# KiCad board cyberdeck-alpha.kicad_pcb (continued)
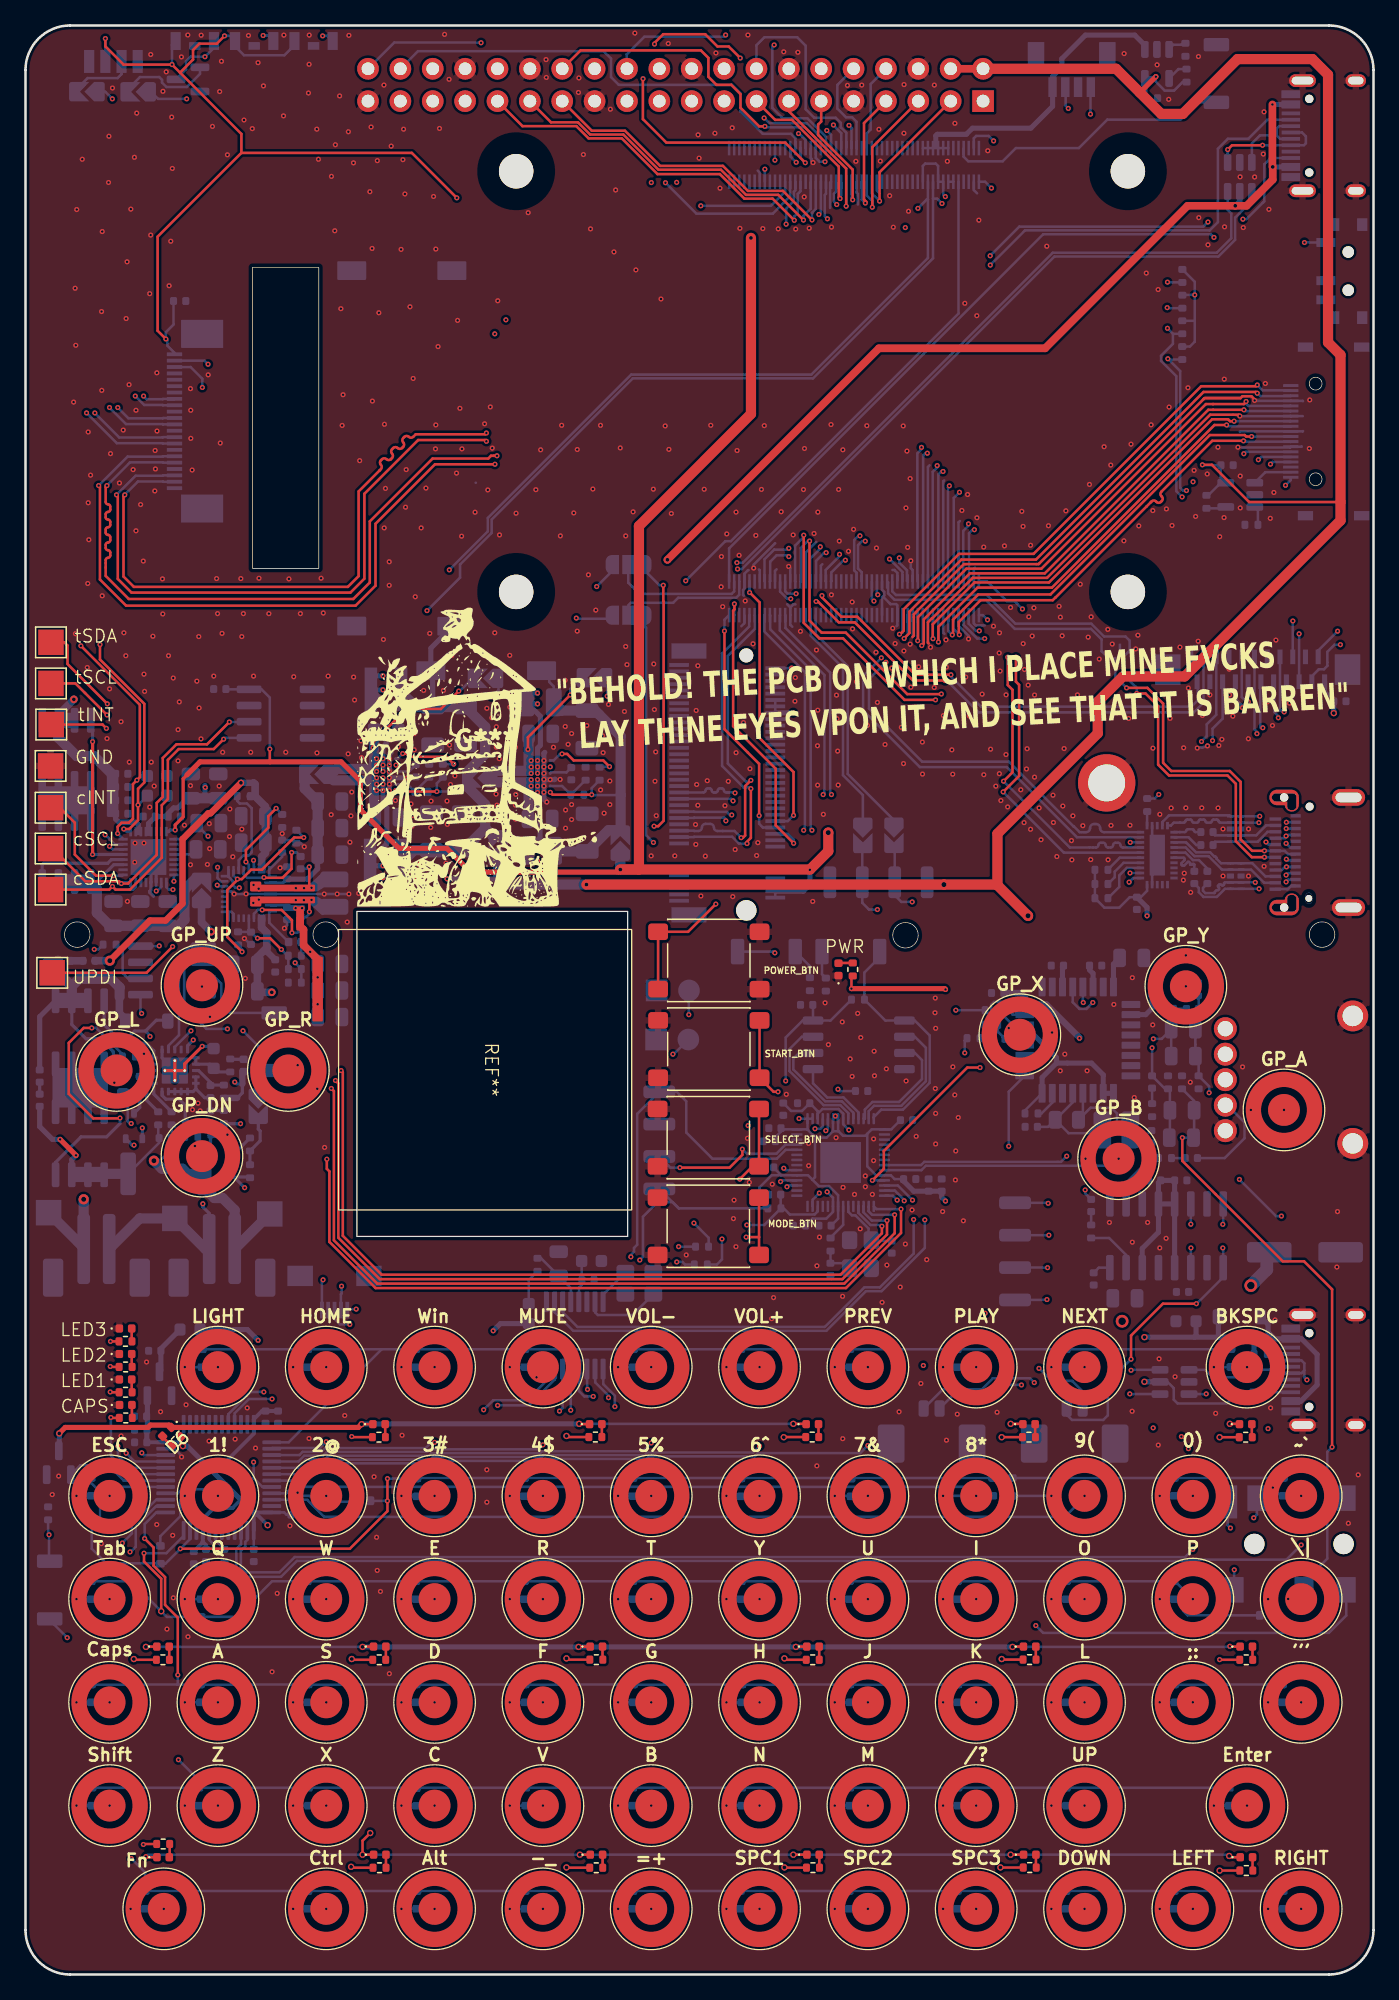
[diagram p0: board, top side]
## Routing (per net, layer and track width the routed paths; a pad name or vN(x,y) marks a point on that pad's centre or on a via; arc(x,y) is an arc through that point) (continued)
  Bottom w0.2: 45.34,47.48 45.34,46.31 46.25,45.4 v1(46.25,44.55) ; v1(86.65,45.55) 86.66,45.54 U6.4
/HUB_US_D+: length 107.4
  In1.Cu w0.2: v1(69.69,59.23) 70.42,59.96 70.42,77.83 72.37,79.78 72.37,81.73 70.55,83.55 v1(66.85,83.55)
  In2.Cu w0.2: v1(49.27,88.81) 50.87,88.81 54.32,85.36 58.75,85.36 60.6,83.51 66.81,83.51 v1(66.85,83.55)
  Bottom w0.2: SJ1.2 65.66,88.31 J5.2 65.66,84.07 66.19,83.55 v1(66.85,83.55) ; U7.11 42.15,51.96 43.31,50.8 62.71,50.8 65.82,53.91 67.04,53.91 69.69,56.56 v1(69.69,59.23) ; v1(49.27,88.81) 48.7,89.39 48.7,105.64 48.62,105.71 JP1.1
/HUB_US_D-: length 112.4
  Top w0.2: v1(49.32,90.09) 49.65,90.09 50.07,90.51 50.07,107.71 50.05,107.74 v1(50.05,108.99)
  In1.Cu w0.2: v1(70.57,59.21) 70.84,59.48 70.84,77.68 72.72,79.56 72.72,81.88 70.71,83.89 69.84,83.89 v1(69.58,84.15)
  In2.Cu w0.2: v1(69.58,84.15) 66.46,87.26 55.2,87.26 52.85,89.61 49.8,89.61 v1(49.32,90.09)
  Bottom w0.2: v1(50.05,108.99) 49.75,108.99 48.6,110.14 ; v1(70.57,59.21) 70.57,57 67.17,53.6 65.94,53.6 62.84,50.5 42.98,50.5 41.51,51.96 U7.10 ; v1(69.58,84.15) 68.73,84.15 68.2,84.67 J5.3 68.2,88.3 SJ2.2
/ID_SCL_GPIO_1: length 101.9
  Top w0.2: J15.28 43.56,150.95 53,150.95 53.59,150.36 53.59,148.88 54.22,148.25 55.38,148.25 56.11,147.52 56.11,146.45 57.57,144.99 v1(58.02,144.99)
  In1.Cu w0.2: v1(62.74,142.22) 64.06,140.9 67.68,140.9 68.59,139.99 68.59,137.5 v1(69.04,137.05) ; v1(103.18,104.33) 102.36,105.15 102.36,105.8 102.66,106.09 102.66,108.47 97.76,113.36 93.72,113.36 91.17,115.92 v1(90.76,115.92)
  In2.Cu w0.2: v1(69.04,137.05) 70.04,138.04 72.4,138.04 72.92,138.57 81.04,138.57 89.61,130.01 v1(89.61,129.15)
  Bottom w0.2: v1(103.18,104.33) 102.72,104.33 102.16,103.77 102.16,102.67 101.89,102.4 101.49,102.4 100.94,101.85 J20.3 ; v1(90.76,115.92) 90.31,116.37 90.31,125.39 89.11,126.59 89.11,127 90.04,127.93 90.04,128.72 ; R83.2 90.04,128.72 ; 90.04,128.72 v1(89.61,129.15) ; v1(62.74,142.22) 62.31,142.22 62.01,142.51 Module2.35 62.01,144.05 61.16,144.91 58.1,144.91 v1(58.02,144.99)
/ID_SDA_GPIO_0: length 95.3
  Top w0.2: J15.27 44.44,144.65 47.04,144.65 49.8,141.89 54.73,141.89 56.69,139.93 59.44,139.93 v1(61.72,137.65)
  In1.Cu w0.2: v1(91.1,116.42) 93.85,113.67 97.89,113.67 102.96,108.6 v1(102.96,105.39)
  In2.Cu w0.2: v1(61.72,137.65) 62.88,136.49 69.04,136.49 70.3,137.74 72.52,137.74 73.05,138.27 80.92,138.27 89.12,130.07 89.12,127.28 v1(89.64,126.76)
  Bottom w0.2: v1(102.96,105.39) 101.44,103.87 J20.2 ; v1(91.1,116.42) 90.83,116.42 90.61,116.64 90.61,125.79 v1(89.64,126.76) 89.7,126.7 R84.2 ; Module2.36 62.01,138.5 61.72,138.21 v1(61.72,137.65)
/IR_LED_CNTRL: length 7.7
  Bottom w0.2: SJ7.2 7.83,147.69 8.99,148.86 10.5,148.86 10.72,148.64 10.72,148.42 11.06,148.08 12.67,148.08 13.69,149.1 Q5.1
/IR_PWR: length 17.8
  In2.Cu w0.2: 18.65,151.24 22.79,151.24 23.32,151.77 v1(23.32,152.09) ; 18.65,151.24 v1(18.65,152.12) ; 18.65,151.24 14.87,151.24 v1(14.08,150.45)
  Bottom w0.2: v1(23.32,152.09) 23.7,152.09 D29.2 ; 19.46,151.68 19.02,152.12 v1(18.65,152.12) ; Q5.3 12.6,149.45 12.6,150.1 12.96,150.46 14.08,150.46 v1(14.08,150.45) 14.79,151.16 D27.2
/IR_SENS: length 5.3
  Bottom w0.2: SJ6.2 4.87,148.78 7.23,148.78 7.54,149.09 J19.3
/JOYSTICK_BTN: length 42.7
  In1.Cu w0.2: v1(25.45,51) 26.3,51 27.87,52.57 31.67,52.57 33.05,53.95 45.72,53.95 47.28,55.5 48.25,55.5 50.35,57.6 51.85,57.6 52.25,57.2 54.75,57.2 56.2,58.65 56.2,59.8 56.55,60.15 58.1,60.15 v1(59.75,61.8)
  Bottom w0.2: v1(25.45,51) 24.67,51 24.25,51.42 J7.3 ; v1(59.75,61.8) 59.8,61.8 59.9,61.9 60.53,61.9
/JOYSTICK_X: length 54.1
  In1.Cu w0.2: v1(47.5,56.3) 47.23,56.3 45.47,54.55 32.8,54.55 32.25,54 v1(24.8,54)
  Bottom w0.2: v1(24.8,54) 24.8,53.43 24.75,53.38 J7.4 ; v1(47.5,56.3) 47.5,56.45 47.75,56.7 47.75,57 48,57.25 48,67.52 J4.4 51.1,69.25 51.85,68.5 51.85,66.05 53.9,64 58.96,64 59.66,64.7 U5.38
/JOYSTICK_Y: length 47.9
  Top w0.2: v1(51.35,63.3) 55.25,63.3 56.25,64.3 v1(56.25,64.75)
  In1.Cu w0.2: v1(23.35,54.5) 32.32,54.5 32.67,54.85 45.35,54.85 47.9,57.4 47.9,59.85 v1(51.35,63.3)
  Bottom w0.2: J4.2 50.61,63.3 v1(51.35,63.3) ; J7.1 23.26,54.41 v1(23.35,54.5) ; v1(56.25,64.75) 56.6,64.4 58.93,64.4 59.63,65.1 60.53,65.1
/LED_0: length 8.6
  Top w0.2: R23.1 6.74,43.67 v1(6.7,43.7)
  Bottom w0.2: v1(6.7,43.7) 6.7,40.7 8.15,39.25 U2.19
/LED_1: length 11.5
  Top w0.2: R22.1 6.68,45.68 v1(6.65,45.7)
  In1.Cu w0.2: v1(7.25,41.45) 7.7,41.45 8.1,41.85 8.1,44.95 7.35,45.7 v1(6.65,45.7)
  Bottom w0.2: v1(7.25,41.45) 7.25,40.7 8.2,39.75 U2.20
/LED_2: length 11.8
  Top w0.2: v1(6.65,47.7) 6.69,47.67 R21.1
  In1.Cu w0.2: v1(6.65,47.7) 8.4,45.95 8.4,41.4 v1(7.9,40.9)
  Bottom w0.2: v1(7.9,40.9) 8.55,40.25 U2.21
/LED_3: length 12.4
  Top w0.2: R20.1 v1(6.67,49.67) 6.65,49.65
  In1.Cu w0.2: v1(6.67,49.67) 8.8,47.54 8.8,41.25 v1(9.13,40.93) 9.15,40.9
  Bottom w0.2: U2.22 9.3,40.75 9.15,40.9
/LED_CNTRL: length 8.2
  Bottom w0.2: Q1.1 4.3,39.95 6.5,39.95 7.7,38.75 U2.18
/LED_PWR: length 314.3
  Top w0.2: D12.1 v2(26.38,43.18) 26.35,43.2 ; v2(94.5,43.2) 95.23,43.2 D9.1 ; v2(26.45,25.7) 26.48,25.73 D14.1 ; D5.1 94.55,9.2 v2(94.45,9.3) ; D19.1 60.48,25.73 v2(60.45,25.7) ; D20.1 43.43,25.73 v2(43.4,25.7) ; v2(77.3,43.2) 78.23,43.2 D15.1 ; v1(94.5,25.75) 94.53,25.73 D7.1 ; v2(77.45,25.7) 77.48,25.73 D13.1 ; D22.1 v2(43.5,9.4) ; D16.1 v2(26.45,9.4) 26.45,10.5 v2(27.05,11.1) ; v2(9.45,25.7) 9.48,25.73 D8.1 ; D18.1 43.48,43.18 v2(43.45,43.2) ; D10.1 9.5,9.2 v1(9.45,9.25) ; D17.1 v2(60.25,9.4) ; D21.1 61.23,43.2 v2(60.25,43.2) ; D11.1 v2(77.3,9.4)
  Top w0.4: v2(26.38,43.18) 26.12,42.92 D6.1 11.26,43.1 9.8,43.1 9.62,42.92 3.12,42.92 v2(2.65,42.45)
  In1.Cu w0.2: v1(88.49,42.89) 87.79,42.19 81.81,42.19 80.79,43.2 v2(77.3,43.2) v2(60.25,43.2)
  In2.Cu w0.2: v2(27.05,11.1) 27.05,25.1 v2(26.45,25.7) ; 26.45,43.1 v2(26.38,43.18) ; v1(88.49,42.89) 88.8,43.2 v2(94.5,43.2)
  In2.Cu w0.4: v2(26.45,25.7) 26.45,43.1
  Bottom w0.2: v2(9.45,25.7) v2(26.45,25.7) ; v2(77.45,25.7) 94.45,25.7 v1(94.5,25.75) ; v2(94.45,9.3) 94.35,9.4 v2(77.3,9.4) v2(60.25,9.4) v2(43.5,9.4) v2(26.45,9.4) 9.6,9.4 v1(9.45,9.25) ; 2.65,41.13 Q1.3 ; v2(26.38,43.18) 26.4,43.2 ; v2(43.45,43.2) v2(60.25,43.2)
  Bottom w0.4: v2(77.45,25.7) v2(60.45,25.7) v2(43.4,25.7) v2(26.45,25.7) ; v2(2.65,42.45) 2.65,41.13 ; 26.4,43.2 v2(43.45,43.2)
/LEFT_CH_AMP_IN: length 46
  In1.Cu w0.2: RV1.4 95.35,72.2 96.15,71.4 96.15,68.95 95.65,68.45 95.65,66.48 96.23,65.9 96.23,55.95 91.05,50.78 91.05,42.55 v1(90.7,42.2)
  In2.Cu w0.2: v1(94.55,35.03) 94.55,39.8 92.15,42.2 v1(90.7,42.2)
  Bottom w0.2: J8.4 94.33,35.25 v1(94.55,35.03)
/LEFT_CH_LINE: length 15.6
  In2.Cu w0.2: v1(83.75,76.25) 86.6,73.4 v1(88.5,73.4)
  Bottom w0.2: C42.1 89.9,75.58 R37.2 C41.2 ; C42.1 89.15,73.4 v1(88.5,73.4) ; C42.1 C43.1 ; U9.28 82.17,76.28 82.7,75.75 83.25,75.75 v1(83.75,76.25)
/LEFT_CH_PREAMP: length 45.6
  In1.Cu w0.2: v1(97.5,42.83) 96.38,41.7 v1(96.38,35.83)
  In2.Cu w0.2: v1(98.55,59.5) 98.55,53.68 96.88,52 96.88,43.45 v1(97.5,42.83) ; v1(92.88,69.18) 92.25,68.55 92.25,64.25 94.13,62.38 v1(95.25,62.38)
  Bottom w0.2: v1(98.55,59.5) 98.13,59.5 v1(95.25,62.38) ; C42.2 C43.2 92.05,71.8 R39.2 92.88,69.68 v1(92.88,69.18) ; v1(96.38,35.83) 96.63,36.08 J8.3
/M2B_USB3_RX_N: length 36.9
  In1.Cu w0.2: v1(66.58,107.75) 67.05,107.28 67.05,104.05 67.16,103.94 v1(67.16,103.3)
  Bottom w0.2: Module3.157 66.41,107.91 v1(66.58,107.75) ; U19.9 82.51,89.22 77,94.73 70.18,94.73 65.73,99.18 65.73,101.87 v1(67.16,103.3)
/M2B_USB3_RX_P: length 36.9
  In1.Cu w0.2: v1(67.52,102.95) 67.56,102.99 67.56,104.18 67.45,104.3 67.45,107.68 v1(66.88,108.25)
  Bottom w0.2: v1(66.88,108.25) 66.81,108.31 Module3.159 ; U19.10 84.64,89.62 arc(84.41,89.71) 84.32,89.93 84.32,89.94 arc(84.23,90.16) 84.01,90.26 83.85,90.26 arc(83.62,90.16) 83.53,89.94 83.53,89.93 arc(83.44,89.71) 83.22,89.62 82.72,89.62 82.28,90.06 82.25,90.06 77.16,95.15 70.36,95.15 66.19,99.32 66.19,101.62 v1(67.52,102.95)
/M2B_USB3_TX_N: length 39.8
  Top w0.2: v1(76.75,93.62) 77.45,94.32 77.45,100.79 77.08,101.16 v1(77.08,103.35)
  In1.Cu w0.2: v1(67.8,111.05) 71.72,107.13 75.46,107.13 77.08,105.51 v1(77.08,103.35)
  Bottom w0.2: v1(67.8,111.05) 68.81,110.03 Module3.169 ; U19.7 86.11,88.42 arc(85.98,88.47) 85.92,88.6 arc(85.87,88.73) 85.74,88.79 85.53,88.79 arc(85.4,88.73) 85.34,88.6 arc(85.29,88.47) 85.16,88.42 84.95,88.42 arc(84.82,88.47) 84.76,88.6 arc(84.71,88.73) 84.58,88.79 84.37,88.79 arc(84.24,88.73) 84.18,88.6 arc(84.13,88.47) 84,88.42 81.95,88.42 v1(76.75,93.62)
/M2B_USB3_TX_P: length 39.9
  Top w0.2: v1(76.72,92.78) 77.97,94.03 77.97,101.18 77.72,101.43 v1(77.72,103.35)
  In1.Cu w0.2: v1(68.57,111.14) 68.57,111.07 72.02,107.62 75.81,107.62 77.72,105.71 v1(77.72,103.35)
  Bottom w0.2: v1(76.72,92.78) 81.48,88.02 U19.6 ; Module3.171 69.17,109.33 69.17,110.16 68.57,110.76 v1(68.57,111.14)
/M2B_USBD_N: length 50.3
  Top w0.2: v1(97.22,87.66) 96.23,87.66 94.97,88.91 94.97,93.41 94.32,94.07 89.73,94.07 88.88,94.92 88.88,99.51 87.89,100.5 v1(87.2,100.5)
  In1.Cu w0.2: v1(98.92,88.74) 97.84,87.66 v1(97.22,87.66)
  Bottom w0.2: J21.B7 99.25,88.4 v1(98.92,88.74) ; J21.A7 97.32,87.65 97.31,87.66 v1(97.22,87.66) ; v1(87.2,100.5) 87.2,100.95 86.23,101.92 D34.1 86.23,103.45 86.64,103.86 86.64,104.65 86.32,104.97 84.64,104.97 83.63,105.98 77.67,105.98 75.42,108.23 68.3,108.23 68.01,108.51 Module3.165
/M2B_USBD_P: length 48.1
  Top w0.2: v1(86.4,100.94) 88.04,100.94 89.27,99.71 89.27,95.06 89.91,94.42 94.5,94.42 95.35,93.57 95.35,89.06 96.25,88.16 v1(97.22,88.16)
  Bottom w0.2: Module3.163 67.69,109.21 67.69,108.34 68.19,107.85 75.35,107.85 77.62,105.57 83.61,105.57 84.44,104.74 84.44,103.82 85.01,103.25 85.42,103.25 D34.2 85.53,101.81 v1(86.4,100.94) ; v1(97.22,88.16) 97.28,88.16 97.29,88.15 J21.A6 98.81,88.15 99.06,87.9 J21.B6
/MIPI0_CLK_N: length 50.3
  Top w0.2: v1(61.07,112.91) 61.07,106.04 62.28,104.82 64.15,104.82 68.98,100 v1(71.41,100)
  In2.Cu w0.2: v1(95.49,99.38) 95.48,99.39 72.16,99.39 71.55,100 v1(71.41,100)
  Bottom w0.2: v1(95.49,99.38) 95.49,99.52 94.99,100.03 94.99,101.37 J20.15 ; Module3.127 60.39,109.31 60.39,112.09 61.07,112.77 v1(61.07,112.91)
/MIPI0_CLK_P: length 50.8
  Top w0.2: v1(71.87,100.45) 71.72,100.45 71.71,100.45 69.19,100.45 64.36,105.27 62.47,105.27 61.52,106.22 61.52,112.45 v1(61.53,112.46)
  In2.Cu w0.2: v1(71.87,100.45) 71.87,100.31 72.34,99.84 v1(95.95,99.84)
  Bottom w0.2: v1(95.95,99.84) 95.81,99.84 95.44,100.21 J20.14 ; v1(61.53,112.46) 61.38,112.46 60.84,111.91 60.84,109.31 Module3.129
/MIPI0_D0_N: length 44
  Top w0.2: v1(62.5,108.17) 62.5,108.03 64.01,106.52 65.27,106.52 69.82,101.96 v1(72.62,101.96)
  In1.Cu w0.2: v1(59.9,111.89) 60,111.79 60.31,111.79 61.72,110.38 61.72,108.81 62.35,108.17 v1(62.5,108.17)
  Bottom w0.2: Module3.115 57.99,109.31 57.99,111.02 58.75,111.79 59.8,111.79 v1(59.9,111.89) ; v1(72.62,101.96) 72.62,101.82 74.98,99.46 91.48,99.46 91.99,99.96 91.99,101.37 J20.21
/MIPI0_D0_P: length 45.9
  Top w0.2: v1(72.16,101.51) 72.15,101.51 69.64,101.51 65.08,106.07 63.82,106.07 62.18,107.72 v1(62.04,107.72)
  In1.Cu w0.2: v1(62.04,107.72) 62.04,107.86 61.27,108.62 61.27,110.19 60.13,111.34 60,111.34 v1(59.9,111.24)
  Bottom w0.2: Module3.117 58.44,109.31 58.44,110.84 58.93,111.34 59.8,111.34 v1(59.9,111.24) ; J20.20 92.44,99.78 91.67,99.01 74.79,99.01 72.3,101.51 v1(72.16,101.51)
/MIPI0_D1_N: length 45.9
  In2.Cu w0.2: v1(60.05,107.93) 60.15,107.93 71.34,96.73 v1(92.28,96.73)
  Bottom w0.2: J20.18 93.44,98.83 92.69,98.08 92.69,97.14 v1(92.28,96.73) ; Module3.121 59.21,108.49 59.77,107.93 v1(60.05,107.93)
/MIPI0_D1_P: length 44.2
  In2.Cu w0.2: v1(60.47,108.33) 60.47,108.24 71.53,97.18 92.62,97.18 93,96.79 v1(93.15,96.79)
  Bottom w0.2: Module3.123 59.61,108.51 59.8,108.33 v1(60.47,108.33) ; J20.17 93.94,98.53 93.15,97.73 v1(93.15,96.79)
/MIPI0_D2_N: length 53.5
  In1.Cu w0.2: v1(96.63,97.35) 96.46,97.51 70.08,97.51 65.59,102.01 65.59,107.85 62.37,111.06 v1(62.37,112)
  Bottom w0.2: J20.12 96.44,97.68 96.63,97.49 v1(96.63,97.35) ; v1(62.37,112) 62.37,111.86 61.59,111.08 61.59,109.31 Module3.133
/MIPI0_D2_P: length 50
  In1.Cu w0.2: v1(97.09,97.8) 96.94,97.8 96.79,97.96 70.27,97.96 66.11,102.12 66.11,107.99 62.82,111.27 62.82,111.54 v1(62.83,111.55)
  Bottom w0.2: J20.11 96.89,101.37 96.89,97.86 96.94,97.8 v1(97.09,97.8) ; Module3.135 62.04,109.31 62.04,110.9 62.68,111.55 v1(62.83,111.55)
/MIPI0_D3_N: length 49.7
  In2.Cu w0.2: v1(63.88,111.41) 63.88,105.26 71.52,97.61 95.2,97.61 96.19,98.6 98.3,98.6 v1(98.31,98.59)
  Bottom w0.2: v1(98.31,98.59) 98.31,98.73 97.99,99.05 97.99,101.37 J20.9 ; Module3.139 62.79,109.31 62.79,110.18 63.88,111.27 v1(63.88,111.41)
/MIPI0_D3_P: length 50.2
  In2.Cu w0.2: v1(98.77,99.05) 96,99.05 95.01,98.06 71.71,98.06 64.33,105.44 64.33,110.95 v1(64.34,110.96)
  Bottom w0.2: v1(64.34,110.96) 64.19,110.96 63.24,110 63.24,109.31 Module3.141 ; J20.8 98.44,99.24 98.63,99.05 v1(98.77,99.05)
/MIPI1_CLK_N: length 129.3
  In2.Cu w0.2: v1(72.49,116.79) 72.49,116.8 69.16,116.8 68.37,117.58 35.44,117.58 35.34,117.68 35.34,130.55 31.14,134.75 31.14,140.08 21.76,149.46 13.27,149.46 4.89,141.07 4.89,122.61 v1(4.79,122.51)
  Bottom w0.2: v1(72.49,116.79) 72.39,116.68 72.39,109.31 Module3.187 ; J11.15 10.79,120.11 10.77,120.13 7.17,120.13 v1(4.79,122.51)
/MIPI1_CLK_P: length 129.3
  In2.Cu w0.2: v1(5.44,122.51) 5.34,122.61 5.34,140.89 8.24,143.79 arc(8.34,143.83) 8.45,143.79 arc(8.55,143.74) 8.65,143.79 8.87,144 arc(8.91,144.11) 8.87,144.21 arc(8.83,144.31) 8.87,144.41 9.09,144.63 arc(9.19,144.68) 9.29,144.63 arc(9.4,144.59) 9.5,144.63 9.72,144.85 arc(9.76,144.96) 9.72,145.06 arc(9.68,145.16) 9.72,145.26 9.94,145.48 arc(10.04,145.53) 10.14,145.48 arc(10.24,145.44) 10.35,145.48 10.57,145.7 arc(10.61,145.8) 10.57,145.91 arc(10.52,146.01) 10.57,146.11 13.46,149.01 21.63,149.01 30.69,139.94 30.69,134.56 34.89,130.36 34.89,117.48 35.34,117.03 35.44,117.13 68.13,117.13 68.98,116.29 v1(73.29,116.29)
  Bottom w0.2: Module3.189 72.84,109.31 72.84,115.84 v1(73.29,116.29) ; 35.34,117.03 35.33,117.03 ; v1(5.44,122.51) 5.44,122.49 7.35,120.58 10.77,120.58 10.79,120.61 J11.14
/MIPI1_D0_N: length 95.5
  Top w0.2: v1(36.17,120.93) 36.07,120.83 30.62,120.83 30.42,120.63 arc(30.25,120.56) 30.08,120.63 arc(29.9,120.7) 29.73,120.63 29.64,120.54 arc(29.57,120.37) 29.64,120.19 arc(29.71,120.02) 29.64,119.85 29.55,119.75 arc(29.37,119.68) 29.2,119.75 arc(29.03,119.83) 28.85,119.75 28.76,119.66 arc(28.69,119.49) 28.76,119.32 arc(28.83,119.14) 28.76,118.97 28.67,118.88 arc(28.5,118.81) 28.32,118.88 arc(28.15,118.95) 27.98,118.88 27.89,118.79 arc(27.81,118.61) 27.89,118.44 arc(27.96,118.27) 27.89,118.09 26.14,116.35 26.14,109.71 25.3,108.86 8.5,108.86 7.69,109.67 7.69,115.98 v1(7.79,116.08)
  In2.Cu w0.2: v1(36.17,120.93) 36.27,120.83 69.28,120.83 v1(70.31,119.8)
  Bottom w0.2: v1(7.79,116.08) 7.79,116.09 8.83,117.13 10.77,117.13 10.79,117.11 J11.21 ; Module3.175 69.99,109.31 69.99,119.34 70.31,119.66 v1(70.31,119.8)
/MIPI1_D0_P: length 95.5
  Top w0.2: v1(7.14,116.08) 7.24,115.98 7.24,109.49 8.32,108.41 25.5,108.41 26.59,109.51 26.59,116.16 30.81,120.38 36.07,120.38 v1(36.17,120.28)
  In2.Cu w0.2: v1(70.77,119.35) 70.13,119.35 69.09,120.38 36.27,120.38 v1(36.17,120.28)
  Bottom w0.2: v1(7.14,116.08) 8.64,117.58 10.77,117.58 10.79,117.61 J11.20 ; v1(70.77,119.35) 70.62,119.35 70.44,119.16 70.44,109.31 Module3.177 ; v1(36.17,120.28) 36.15,120.28
/MIPI1_D1_N: length 98.1
  Top w0.2: 36.73,119.15 v1(37,119.15) 36.53,119.15 36.32,118.93 31.95,118.93 27.02,114 27.02,109.21 25.72,107.91 8.1,107.91 6.29,109.72 6.29,110.96 arc(6.34,111.09) 6.47,111.14 arc(6.6,111.19) 6.65,111.32 6.65,111.56 arc(6.6,111.69) 6.47,111.74 arc(6.34,111.79) 6.29,111.92 6.29,112.16 arc(6.34,112.29) 6.47,112.34 arc(6.6,112.39) 6.65,112.52 6.65,112.76 arc(6.6,112.89) 6.47,112.94 arc(6.34,112.99) 6.29,113.12 6.29,113.36 arc(6.34,113.49) 6.47,113.54 arc(6.6,113.59) 6.65,113.72 6.65,113.96 arc(6.6,114.09) 6.47,114.14 arc(6.34,114.19) 6.29,114.32 6.29,114.56 arc(6.34,114.69) 6.47,114.74 arc(6.6,114.79) 6.65,114.92 6.65,115.16 arc(6.6,115.29) 6.47,115.34 arc(6.34,115.39) 6.29,115.52 6.29,116.71 v1(6.39,116.81)
  In2.Cu w0.2: v1(37,119.15) 37.21,118.93 69.25,118.93 69.81,118.37 v1(71.54,118.37)
  Bottom w0.2: v1(6.39,116.81) 6.39,116.82 8.2,118.63 10.77,118.63 10.79,118.61 J11.18 ; v1(71.54,118.37) 71.54,118.23 71.19,117.88 71.19,109.31 Module3.181
/MIPI1_D1_P: length 97.9
  Top w0.2: v1(36.84,118.48) 32.13,118.48 27.47,113.81 27.47,108.96 25.9,107.39 7.9,107.39 5.84,109.44 5.84,116.71 v1(5.74,116.81)
  In2.Cu w0.2: v1(36.84,118.48) 68.94,118.48 69.51,117.92 v1(72,117.92)
  Bottom w0.2: J11.17 10.79,119.11 10.77,119.08 8.02,119.08 v1(5.74,116.81) ; Module3.183 71.64,109.31 71.64,117.7 71.85,117.92 v1(72,117.92) ; v1(36.84,118.48) 36.83,118.48
/MIPI1_D2_N: length 122.4
  In2.Cu w0.2: v1(6.59,122.93) 6.69,123.03 6.69,139.25 14.5,147.06 22.12,147.06 28.42,140.76 28.42,134.42 31.54,131.3 31.54,118.37 34.06,115.86 34.42,115.86 34.52,115.96 34.62,115.86 64.8,115.86 66.86,113.8 73.99,113.8 v1(74,113.8)
  Bottom w0.2: v1(74,113.8) 74,113.66 73.59,113.25 73.59,109.31 Module3.193 ; v1(6.59,122.93) 7.89,121.63 10.77,121.63 10.79,121.61 J11.12
/MIPI1_D2_P: length 122.4
  In2.Cu w0.2: v1(74.46,113.35) 66.68,113.35 64.62,115.41 34.62,115.41 34.52,115.31 34.42,115.41 33.87,115.41 31.09,118.19 31.09,131.11 27.97,134.24 27.97,140.65 22.01,146.61 14.68,146.61 13.7,145.62 arc(13.64,145.48) 13.7,145.33 13.71,145.33 arc(13.77,145.18) 13.71,145.03 13.63,144.96 arc(13.49,144.9) 13.34,144.96 13.34,144.96 arc(13.19,145.02) 13.04,144.96 12.97,144.89 arc(12.91,144.74) 12.97,144.6 12.97,144.59 arc(13.03,144.45) 12.97,144.3 12.9,144.22 arc(12.75,144.16) 12.6,144.22 12.6,144.23 arc(12.45,144.29) 12.31,144.23 12.23,144.15 arc(12.17,144.01) 12.23,143.86 12.24,143.86 arc(12.3,143.71) 12.24,143.56 12.16,143.49 arc(12.02,143.43) 11.87,143.49 11.87,143.49 arc(11.72,143.55) 11.57,143.49 10.77,142.69 7.14,139.06 7.14,123.03 v1(7.24,122.93)
  Bottom w0.2: J11.11 10.79,122.11 10.77,122.08 8.08,122.08 7.24,122.92 v1(7.24,122.93) ; v1(74.46,113.35) 74.31,113.35 74.04,113.07 74.04,109.31 Module3.195
/MIPI1_D3_N: length 117.9
  In2.Cu w0.2: v1(75.27,104.81) 75.27,105.62 72.72,108.17 69.36,108.17 63.52,114.01 34.04,114.01 34.03,114 32.69,114 26.24,120.45 26.24,140.88 22.94,144.18 15.7,144.18 8.72,137.2 8.72,123.93 v1(8.62,123.83)
  Bottom w0.2: Module3.194 73.61,105.87 74.68,104.81 v1(75.27,104.81) ; v1(8.62,123.83) 9.32,123.13 10.77,123.13 10.79,123.11 J11.9
/MIPI1_D3_P: length 117.9
  In2.Cu w0.2: v1(9.27,123.83) 9.17,123.93 9.17,137.01 11.4,139.25 arc(11.57,139.32) 11.73,139.25 11.91,139.08 arc(12.07,139.01) 12.23,139.08 12.32,139.16 arc(12.38,139.32) 12.32,139.49 12.14,139.66 arc(12.07,139.82) 12.14,139.99 12.22,140.07 arc(12.39,140.14) 12.55,140.07 12.73,139.9 arc(12.89,139.83) 13.05,139.9 13.14,139.98 arc(13.2,140.14) 13.14,140.31 12.96,140.48 arc(12.89,140.64) 12.96,140.81 13.04,140.89 arc(13.21,140.96) 13.37,140.89 13.55,140.72 arc(13.71,140.65) 13.87,140.72 13.96,140.8 arc(14.02,140.96) 13.96,141.13 13.78,141.3 arc(13.71,141.46) 13.78,141.63 13.86,141.71 arc(14.03,141.78) 14.19,141.71 14.37,141.54 arc(14.53,141.47) 14.69,141.54 14.78,141.62 arc(14.84,141.78) 14.78,141.95 14.6,142.12 arc(14.53,142.28) 14.6,142.45 15.88,143.73 22.72,143.73 25.79,140.66 25.79,120.26 32.5,113.55 34.5,113.55 34.51,113.56 63.33,113.56 69.18,107.72 72.54,107.72 v1(74.84,105.41)
  Bottom w0.2: v1(74.84,105.41) 74.57,105.41 74.01,105.97 Module3.196 ; v1(9.27,123.83) 9.27,123.82 9.5,123.58 10.77,123.58 10.79,123.61 J11.8
/MIPI1_SCL: length 126.1
  In2.Cu w0.2: v1(33.26,110.2) 33.26,107.9 29.12,103.76 15.78,103.76 14.04,105.51 14.04,124.35 v1(13.88,124.51) ; v1(89.59,130.77) 89.28,130.77 81.17,138.87 72.8,138.87 72.27,138.35 70.24,138.35 v1(70.03,138.56)
  Bottom w0.2: v1(89.59,130.77) 89.63,130.72 R55.2 ; 70.81,139.26 70.73,139.26 v1(70.03,138.56) ; 70.81,139.26 70.81,134.66 61.67,125.52 47.53,125.52 36.28,114.27 36.28,113.22 v1(33.26,110.2) ; 70.81,139.26 Module2.80 ; v1(13.88,124.51) 13.88,125.19 12.96,126.11 J11.3
/MIPI1_SDA: length 123
  In2.Cu w0.2: v1(71.92,138.94) 72.44,138.94 72.68,139.17 81.29,139.17 87.71,132.76 89.6,132.76 v1(89.61,132.77) ; v1(14.33,126.33) 16.17,124.49 16.17,104.54 16.55,104.16 28.88,104.16 31.51,106.79 v1(31.51,107)
  Bottom w0.2: Module2.82 71.21,139.32 ; 71.21,139.32 71.21,134.63 61.79,125.21 47.65,125.21 36.58,114.14 36.58,113.09 34.1,110.61 34.1,109.59 v1(31.51,107) ; 71.21,139.32 71.54,139.32 v1(71.92,138.94) ; v1(89.61,132.77) 89.63,132.75 R54.2 ; v1(14.33,126.33) 14.05,126.61 J11.2
/NRST: length 1.8
  Bottom w0.2: U2.7 14.91,34.06 C1.1
/PCIE-CLK_N: length 25.6
  Top w0.2: v1(56.16,89.18) 56.3,89.18 56.47,89.35 56.47,93.23 v1(56.92,93.68)
  Bottom w0.2: v1(56.16,89.18) 55.63,89.71 54.3,89.71 arc(54.1,89.79) 54.02,89.99 arc(53.93,90.19) 53.74,90.27 53.36,90.27 arc(53.16,90.19) 53.08,89.99 arc(52.99,89.79) 52.8,89.71 52.47,89.71 52.45,89.73 J16.53 ; v1(56.92,93.68) 56.82,93.58 56.53,93.58 55.11,95 55.11,103.44 57.24,105.57 57.24,106.62 Module3.112
/PCIE-CLK_P: length 25.7
  Top w0.2: v1(56.92,93.03) 56.92,89.17 56.62,88.87 v1(56.62,88.73)
  Bottom w0.2: Module3.110 56.79,106.62 56.79,105.75 54.66,103.63 54.66,94.81 56.34,93.13 56.82,93.13 v1(56.92,93.03) ; J16.55 52.45,89.23 52.47,89.26 55.45,89.26 55.98,88.73 v1(56.62,88.73)
/PCIE-CLKREQ: length 19
  Top w0.2: v1(57.57,90.92) 57.57,94.98 54.85,97.7 v1(54.85,105.4)
  Bottom w0.2: v1(54.85,105.4) 54.85,106.28 Module3.102 ; v1(57.57,90.92) 57.57,90.28 57.86,89.98 J16.52
/PCIE-NRESET: length 21.4
  Top w0.2: v1(60.27,90.94) 60.27,94.34 57.61,97 57.61,107.64 56.83,108.42 v1(56.82,108.42)
  Bottom w0.2: J16.50 59.81,90.48 v1(60.27,90.94) ; Module3.109 56.81,108.54 56.82,108.54 v1(56.82,108.42)
/PCIE-NWAKE: length 23.6
  Top w0.2: v1(60.28,88.75) 58.87,90.16 58.87,94.6 55.53,97.94 55.53,107 55.63,107.1 v1(55.63,107.53)
  Bottom w0.2: J16.54 59.81,89.48 60.28,89.02 v1(60.28,88.75) ; Module3.104 55.61,106.65 55.61,107.46 55.63,107.48 v1(55.63,107.53)
/PCIE-RX_N: length 29.4
  In2.Cu w0.2: v1(55.42,90.96) 55.42,90.82 56.02,90.22 61.26,90.22 v1(61.71,89.77)
  Bottom w0.2: v1(55.42,90.96) 55.27,90.96 55.03,91.21 52.47,91.21 52.45,91.23 J16.47 ; v1(61.71,89.77) 61.61,89.87 61.61,102.36 58.44,105.53 58.44,106.62 Module3.118
/PCIE-RX_P: length 29.4
  In2.Cu w0.2: v1(54.96,90.51) 55.1,90.51 55.84,89.77 57.38,89.77 arc(57.51,89.71) 57.56,89.58 arc(57.61,89.45) 57.75,89.4 57.98,89.4 arc(58.11,89.45) 58.16,89.58 arc(58.21,89.71) 58.35,89.77 58.58,89.77 arc(58.71,89.71) 58.76,89.58 arc(58.81,89.45) 58.95,89.4 59.18,89.4 arc(59.31,89.45) 59.36,89.58 arc(59.41,89.71) 59.55,89.77 v1(61.06,89.77)
  Bottom w0.2: v1(61.06,89.77) 61.16,89.87 61.16,102.17 57.99,105.35 57.99,106.62 Module3.116 ; J16.49 52.45,90.73 52.47,90.76 54.85,90.76 54.96,90.65 v1(54.96,90.51)
/PCIE-TX_N: length 28.2
  In2.Cu w0.2: v1(63.24,92.57) 62.28,91.6 55.99,91.6 v1(55.52,92.07)
  Bottom w0.2: v1(55.52,92.07) 55.36,92.23 J16.43 ; Module3.124 59.64,106.62 59.64,105.63 63.14,102.13 63.14,92.67 v1(63.24,92.57)
/PCIE-TX_P: length 28.2
  In2.Cu w0.2: v1(55.68,92.69) 55.68,92.55 56.18,92.05 62.09,92.05 62.59,92.55 v1(62.59,92.57)
  Bottom w0.2: J16.41 53.21,92.73 arc(53.32,92.78) 53.37,92.89 arc(53.41,93.01) 53.53,93.05 53.69,93.05 arc(53.8,93.01) 53.85,92.89 arc(53.89,92.78) 54.01,92.73 54.17,92.73 arc(54.28,92.78) 54.33,92.89 arc(54.37,93.01) 54.49,93.05 54.65,93.05 arc(54.76,93.01) 54.81,92.89 arc(54.85,92.78) 54.97,92.73 55.64,92.73 v1(55.68,92.69) ; v1(62.59,92.57) 62.69,92.67 62.69,101.94 59.19,105.45 59.19,106.62 Module3.122
/PD_CC1: length 142.9
  Top w0.2: v1(7.23,89.52) 7.23,90.05 7.54,90.36 8.11,90.36 8.43,90.67 8.43,93.38 v1(8.74,93.7) 8.97,93.93 8.97,99.61 v1(4.35,104.24)
  In1.Cu w0.2: v1(36.82,128.71) 35.57,128.71 29.07,122.21 27.57,122.21 24.47,119.11 24.47,105.74 22.7,103.96 6.4,103.96 6.2,103.76 4.82,103.76 v1(4.35,104.24)
  In2.Cu w0.2: v1(36.82,128.71) 43.97,128.71 49.37,134.11 v1(75.71,134.11)
  Bottom w0.2: J13.A5 97.45,145.51 95.96,144.02 94.35,144.02 93.57,143.24 93.57,137.48 92.92,136.82 78.43,136.82 v1(75.71,134.11) ; v1(7.23,89.52) 7.66,89.09 U18.24 ; v1(8.74,93.7) 9.07,94.03 C117.2
/PD_CC2: length 137.4
  Top w0.2: v1(5.85,104.34) 5.85,103.16 9.32,99.69 9.32,93.51 8.83,93.02 v1(8.83,91.75) 8.83,90.56 8.14,89.87 v1(7.71,89.87)
  In1.Cu w0.2: v1(37.7,129.81) 36.07,129.81 28.85,122.59 27.35,122.59 24.12,119.36 24.1,119.36 24.1,105.89 22.52,104.31 5.87,104.31 v1(5.85,104.34)
  In2.Cu w0.2: v1(92.79,137.49) 93.01,137.71 v1(95.53,137.71) ; v1(75.7,134.84) 47.72,134.84 42.7,129.81 v1(37.7,129.81)
  Bottom w0.2: C118.2 9.56,92.47 v1(8.83,91.75) ; v1(92.79,137.49) 92.43,137.13 77.99,137.13 v1(75.7,134.84) 75.69,134.84 ; J13.B5 97.7,142.51 97.21,142.02 97.21,139.11 97.1,139 97.09,139 95.8,137.71 v1(95.53,137.71) ; v1(7.71,89.87) 7.92,89.66 U18.25
/PMID: length 11.2
  Top w0.25: v1(21.2,83.66) v1(21.71,83.66)
  Top w0.6: 22.93,79.65 21.82,80.76 21.82,81.97 21.55,82.24 21.55,82.84
  Bottom w0.2: U4.29 20.43,83.87 20.53,83.77
  Bottom w0.4: C97.1 22.93,79.74 22.43,80.23 v1(22.34,80.23) ; 20.53,83.77 20.64,83.66
  Bottom w0.8: C99.2 v1(22.93,76.12) v1(22.93,78.23) C97.1
